# Altium PCB BeagleBone_Black_RevB4.PcbDoc (part 1 of 5) (continued)
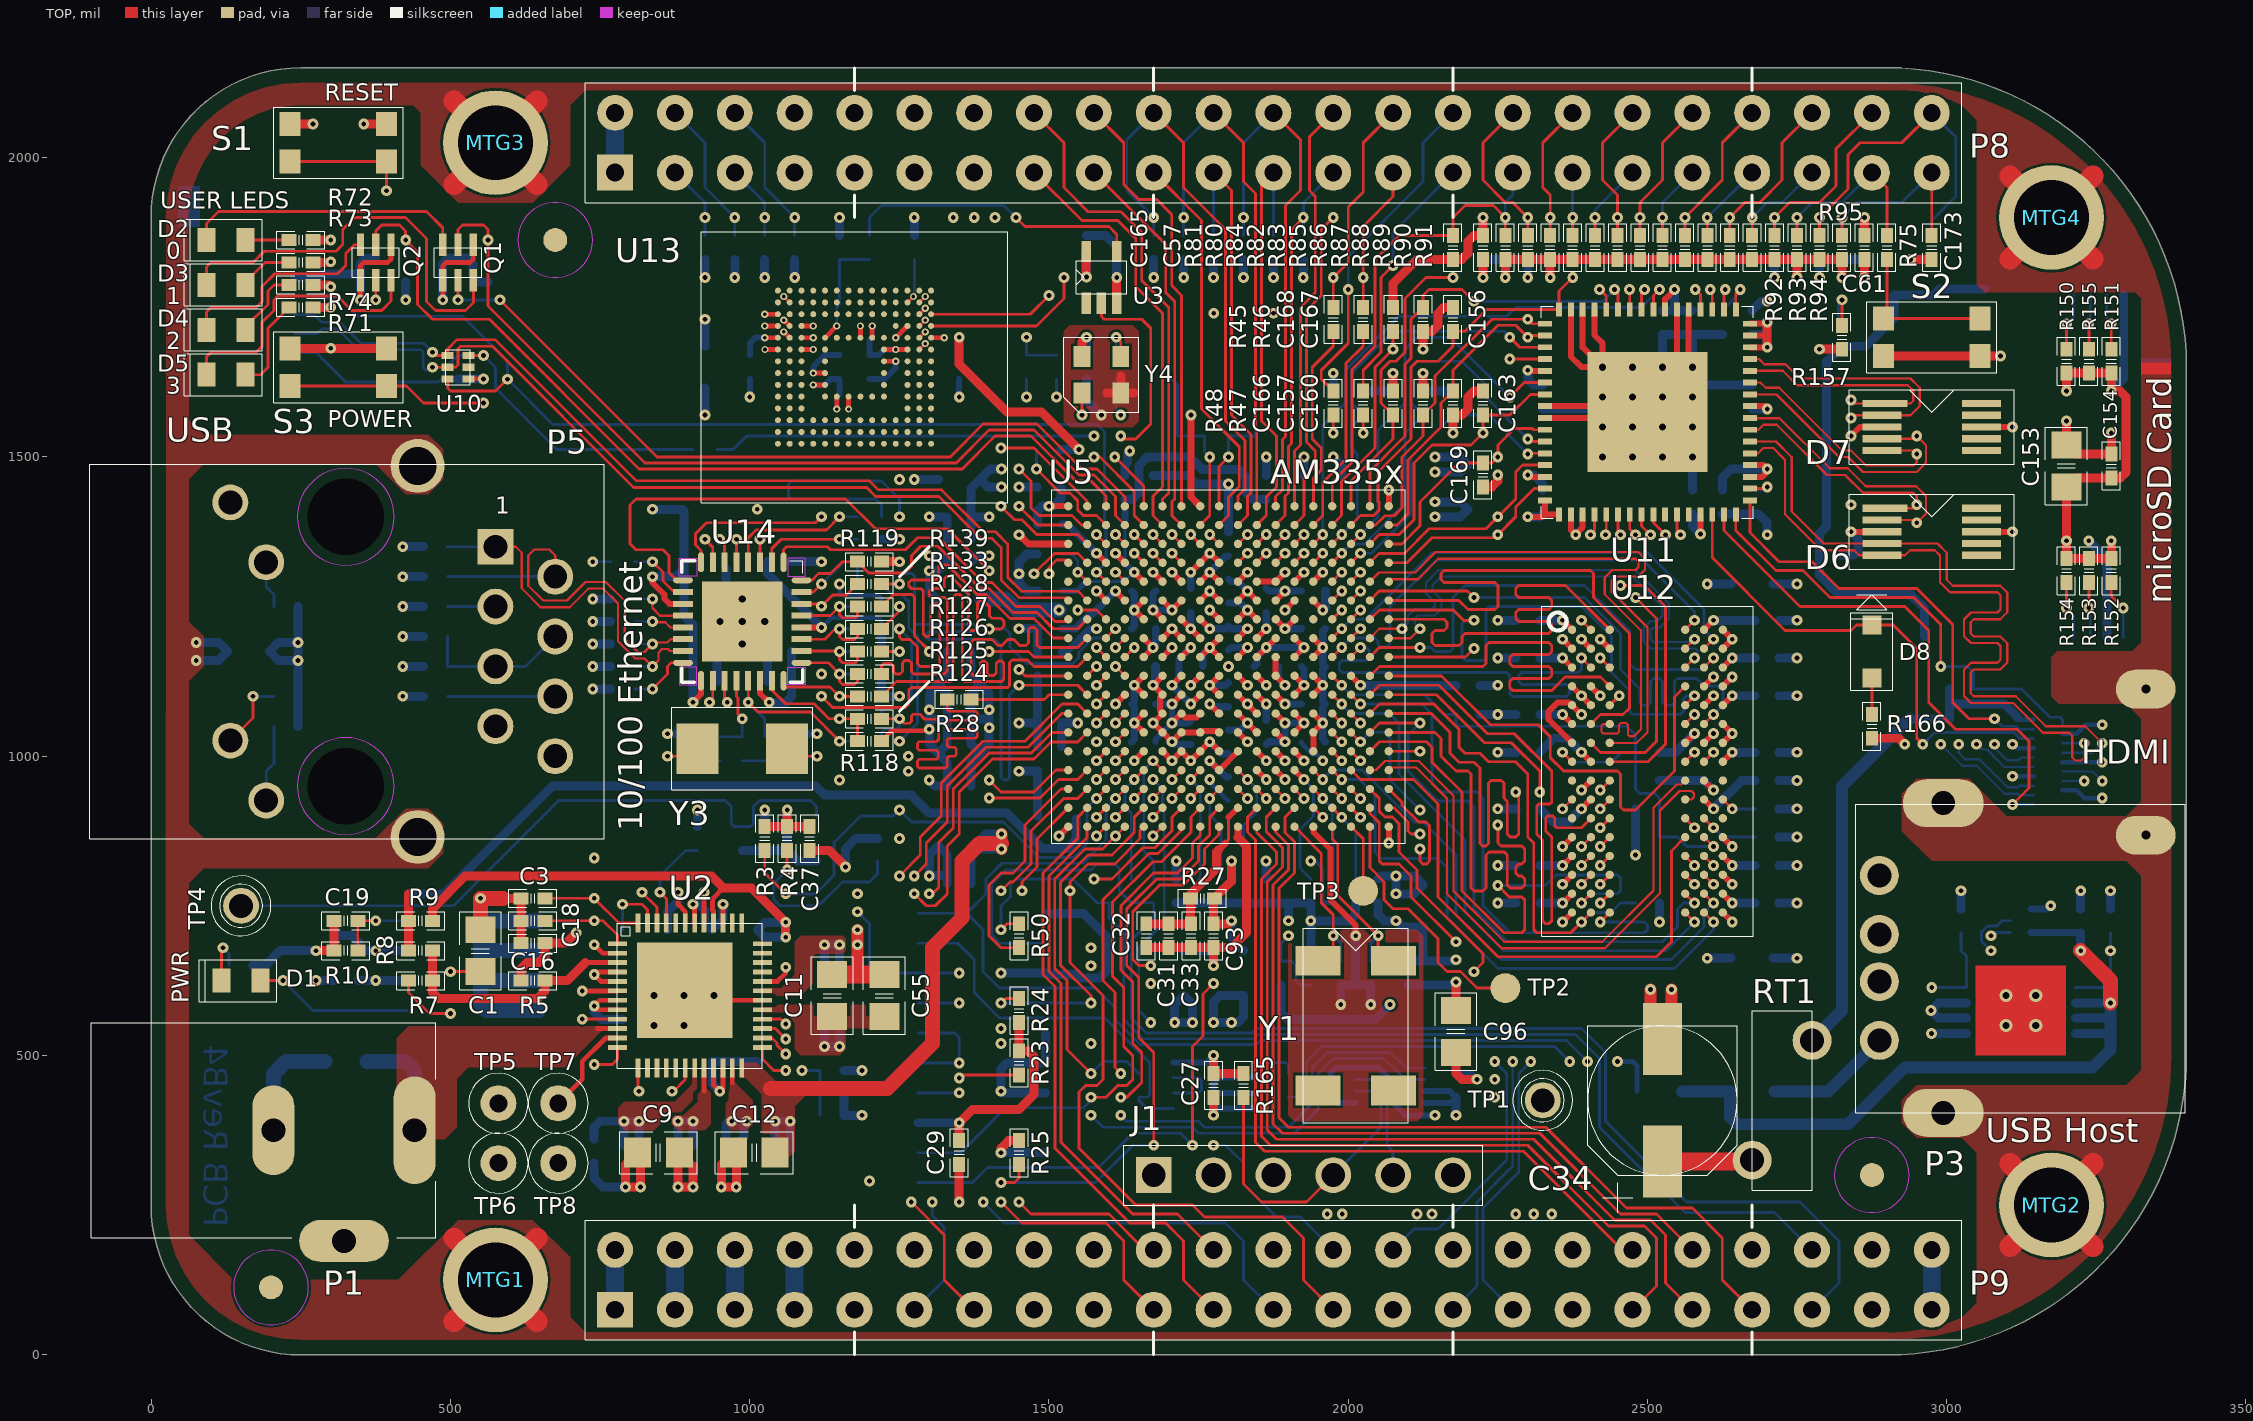
[diagram p0: TOP view]
## Components (designator, comment, footprint, x,y, rotation, side; value= is the part's Value field where it differs from the comment) (continued)
R23 "4.75K, 1%" 402 1450,487.5 r270 top
R24 "4.75K, 1%" 402 1450,575 r90 top
R25 "4.75K, 1%" 402 1450,337.5 r90 top
R26 "4.75K, 1%" 402 1975,775 r90 bottom
R27 "0R, 1%" 402 1756.25,762.5 r180 top
R28 "33, 0402" 402 1350,1095 r180 top
R45 "33, 0402" 402 1975,1730 r90 top
R46 "33, 0402" 402 2025,1730 r90 top
R47 "33, 0402" 402 2025,1590 r90 top
R48 "33, 0402" 402 1975,1590 r90 top
R49 "0R, 1%" 402 1500,1337.5 r0 bottom
R50 "0R, 1%" 402 1450,700 r270 top
R51 "0R, 1%" 402 1600,775 r90 bottom
R52 "10k, 1%" 402 3273.9,725 r270 bottom
R53 "10k, 1%" 402 3023.9,725 r90 bottom
R54 "10k, 1%" 402 2012.5,775 r90 bottom
R55 "100K, 1%, DNI" 402 2300,1850 r90 bottom
R56 "100K, 1%" 402 2262.5,1850 r90 bottom
R57 "100K, 1%, DNI" 402 2375,1850 r90 bottom
R58 "100K, 1%,DNI" 402 2412.5,1850 r90 bottom
R59 "100K, 1%, DNI" 402 2337.5,1850 r90 bottom
R60 "100K, 1%,DNI" 402 2450,1850 r90 bottom
R61 "100K, 1%,DNI" 402 2487.5,1850 r90 bottom
R62 "100K, 1%,DNI" 402 2525,1850 r90 bottom
R63 "100K, 1%,DNI" 402 2562.5,1850 r90 bottom
R64 "100K, 1%,DNI" 402 2600,1850 r90 bottom
R65 "100K, 1%" 402 2637.5,1850 r90 bottom
R66 "100K, 1%" 402 2675,1850 r90 bottom
R67 "100K, 1%" 402 2712.5,1850 r90 bottom
R68 "100K, 1%" 402 2750,1850 r90 bottom
R69 "100K, 1%, DNI" 402 2787.5,1850 r90 bottom
R70 "100K, 1%,DNI" 402 2825,1850 r90 bottom
R71 "820, 5%" 402 250,1750 r180 top
R72 "820, 5%" 402 250,1862.5 r180 top
R73 "820, 5%" 402 250,1825 r180 top
R74 "820, 5%" 402 250,1787.5 r180 top
R75 "100" 402 2900,1850 r270 top
R76 "100K, 1%" 402 512.5,1812.5 r90 bottom
R77 "100K, 1%" 402 562.5,1812.5 r270 bottom
R78 "100K, 1%" 402 375,1812.5 r90 bottom
R79 "100K, 1%" 402 425,1812.5 r270 bottom
R80 "100K, 1%" 402 2300,1850 r270 top
R81 "100K, 1%, DNI" 402 2262.5,1850 r270 top
R82 "100K, 1%" 402 2375,1850 r270 top
R83 "100K, 1%" 402 2412.5,1850 r270 top
R84 "100K, 1%" 402 2337.5,1850 r270 top
R85 "100K, 1%" 402 2450,1850 r270 top
R86 "100K, 1%" 402 2487.5,1850 r270 top
R87 "100K, 1%" 402 2525,1850 r270 top
R88 "100K, 1%" 402 2562.5,1850 r270 top
R89 "100K, 1%" 402 2600,1850 r270 top
R90 "100K, 1%, DNI" 402 2637.5,1850 r270 top
R91 "100K, 1%, DNI" 402 2675,1850 r270 top
R92 "100K, 1%, DNI" 402 2712.5,1850 r270 top
R93 "100K, 1%, DNI" 402 2750,1850 r270 top
R94 "100K, 1%" 402 2787.5,1850 r270 top
R95 "100K, 1%" 402 2825,1850 r270 top
R96 "10k, 1%" 402 2700,912 r180 bottom
R97 "1.5K, 1%" 402 2500,754.5 r180 bottom
R98 "10k, 1%" 402 2500,1006.5 r180 bottom
R99 "240, 1%" 402 2700,864.75 r180 bottom
R100 "10k, 1%" 402 2500,912 r180 bottom
R101 "10k, 1%" 402 1925,1850 r90 bottom
R102 "10k, 1%" 402 1825,1850 r90 bottom
R103 "10k, 1%" 402 1025,1850 r90 bottom
R104 "10k, 1%" 402 1075,1850 r90 bottom
R105 "10k, 1%" 402 1875,1850 r90 bottom
R106 "10k, 1%" 402 1725,1850 r90 bottom
R107 "10k, 1%" 402 925,1850 r90 bottom
R108 "10k, 1%" 402 975,1850 r90 bottom
R109 "10k, 1%" 402 1675,1850 r90 bottom
R110 "10k, 1%" 402 1775,1850 r90 bottom
R111 "10k, 1%" 402 1150,1850 r270 bottom
R112 "1.5K, 1%" 402 1200,1212.5 r0 bottom
R113 "1.5K, 1%" 402 1200,1325 r0 bottom
R114 "1.5K, 1%" 402 1200,1175 r0 bottom
R115 "10k, 1%" 402 1200,1250 r0 bottom
R116 "10k, 1%" 402 1200,1100 r0 bottom
R117 "10k, 1%" 402 1200,1137.5 r0 bottom
R118 "10k, 1%" 402 1200,1025 r0 top
R119 "1.5K, 1%" 402 1200,1325 r180 top
R120 "49.9, 1%" 402 787.5,1150 r180 bottom
R121 "49.9, 1%" 402 787.5,1187.5 r180 bottom
R122 "49.9, 1%" 402 787.5,1225 r180 bottom
R123 "49.9, 1%" 402 787.5,1262.5 r180 bottom
R124 "10, 1%,DNI" 402 1200,1062.5 r180 top
R125 "100, 1%" 402 1200,1100 r180 top
R126 "100, 1%" 402 1200,1137.5 r180 top
R127 "100, 1%" 402 1200,1175 r180 top
R128 "100, 1%" 402 1200,1212.5 r180 top
R129 "100, 1%" 402 787.5,1325 r0 bottom
R130 "470, 5%" 402 225,1100 r180 bottom
R131 "100, 1%" 402 1200,1062.5 r180 bottom
R132 "470, 5%" 402 225,1250 r180 bottom
R133 "100, 1%" 402 1200,1250 r180 top
R134 "100, 1%" 402 1200,1400 r180 bottom
R135 "10k, 1%" 402 225,1050 r0 bottom
R136 "0.1, 0805" 805 162.5,1175 r180 bottom
R137 "0R, 1%" 402 475,1150 r180 bottom
R138 "100, 1%" 402 1200,1287.5 r180 bottom
R139 "100, 1%" 402 1200,1287.5 r180 top
R140 "0R, 1%,DNI" 402 1200,1025 r180 bottom
R141 "1M, 1%,DNI" 402 987.5,1012.5 r270 bottom
R142 "0R, 1%" 402 1025,1012.5 r90 bottom
R143 "10, 1%" 402 950,1012.5 r270 bottom
R144 "12.1K, 1%" 402 787.5,1112.5 r180 bottom
R145 "10k, 1%" 402 1200,1362.5 r0 bottom
R146 "1.5K, 1%" 402 3025,1062.5 r0 bottom
R147 "1.5K, 1%" 402 3025,1112.5 r0 bottom
R148 "10k, 1%" 402 2675,1425 r270 bottom
R149 "0R, 1%" 402 2625,1725 r270 bottom
R150 "10k, 1%" 402 3200,1660 r90 top
R151 "10k, 1%" 402 3275,1660 r90 top
R152 "10k, 1%" 402 3275,1310 r270 top
R153 "10k, 1%" 402 3237.5,1310 r270 top
R154 "10k, 1%" 402 3200,1310 r270 top
R155 "10k, 1%" 402 3237.5,1660 r90 top
R156 "10k, 1%" 402 987.5,862.5 r90 bottom
R157 "10k, 1%" 402 2825,1700 r270 top
R158 "10k, 1%" 402 1500,1512.5 r180 bottom
R159 "0R, 1%" 402 925,1512.5 r0 bottom
R160 "0R, 1%" 402 1512.5,1650 r90 bottom
R161 "0R, 1%" 402 1462.5,1650 r90 bottom
R162 "0R, 1%" 402 1200,1850 r270 bottom
R163 "4.75K, 1%" 402 1887.5,637.5 r90 bottom
R164 "4.75K, 1%" 402 1937.5,637.5 r90 bottom
R165 "100K, 1%" 402 1825,450 r90 top
R166 "27K, 1%" 402 2875,1050 r270 top
R167 "33, 0402" 402 1612.5,1650 r270 bottom
RT1 "PTC_RXEF010" POLYSW200-5638-310 2725,425 r90 top
S1 "KMR231GLFS" SW4SMD_63X161LS 312.5,2025 r180 top
S2 "KMR231GLFS" SW4SMD_63X161LS 2975,1700 r180 top
S3 "KMR231GLFS" SW4SMD_63X161LS 312.5,1650 r180 top
TP1 "TESTPT1" TP1-8040 2325,425 r0 top
TP2 "TESTPT1" TP60C_SMD 2262.5,612.5 r0 top
TP3 "TESTPT1" TP60C_SMD 2025,775 r0 top
TP4 "TESTPT1" TP1-8040 150,750 r0 top
TP5 "TESTPT1" TP60C33D 580,420 r0 top
TP6 "TESTPT1" TP60C33D 580,320 r0 top
TP7 "TESTPT1" TP60C33D 680,420 r0 top
TP8 "TESTPT1" TP60C33D 680,320 r0 top
U2 "TPS65217C" U_48_RSL 900,600 r0 top
U3 "SN74LVC1G06DCK" DCK5_2P15X1P4 1587.5,1800 r0 top
U4 "TL5209" SO8-25X75 537.5,650 r270 bottom
U5 "IC_AM335X_ZCE_1" AM33XX_15X15 1800,1150 r180 top
U6 "SN74LVC1G74DCTR" SOP8_DCT 1775,450 r270 bottom
U7 "24LC32A" SOT23-5 1162.5,862.5 r90 bottom
U8 "TPS2051 (DGN)" DGN-16X60 3123.9,575 r270 bottom
U9 "TPD4S012" U_6_DRY 3123.9,725 r90 bottom
U10 "TPD4S012" U_6_DRY 512.5,1650 r270 top
U11 "TDA19988" QFN64S9X9P5 2500,1575 r0 top
U12 "MT41K256M16HA -125:E" BGA96_T9_P8_9X14 2500,975 r0 top
U13 "eMMC, 2GB" BGA153_P14_P5_11P5X13 1175,1650 r270 top
U14 "LAN8710A" QFN32_5X5MM_EP3P3MM 987.5,1225 r0 top
U15 "SN74LVC2G241" U_8_DCU 2070,450 r270 bottom
Y1 "32.768kHz" XTAL4_126-216SMD 2012.5,550 r270 top
Y2 "24MHz" XTAL150SMD_125X196 1780,1630 r0 bottom
Y3 "25.000MHz" XTAL150SMD_125X196 987.5,1012.5 r180 top
Y4 "24.576MHz" OSC4_61X65LS_79X98SMD 1587.5,1637.5 r0 top

## Footprints (in the part's own frame and the unit in brackets; to place one, negate y for a bottom-side part, rotate by r counter-clockwise, add the part's x,y. Pads: shape width x height; smd on the part's side, far side on the other; paste and mask are expansions set on the pad)
402 [mil] "402"
  rect 25x20 smd mask+2: 1(-20,0) 2(20,0)
  silkscreen extent -40,-15 40,15
805 [mil] "805"
  rect 45x50 smd mask+2: 1(-35,0) 2(35,0)
  silkscreen extent -65,-35 65,35
2520 [mil] "2520"
  rect 45x75 smd mask+2: 1(45,0) 2(-45,0)
  silkscreen extent -80,-50 80,50
AM33XX_15X15 [mil] "AM33XX_15X15"
  round 14 smd mask+0: A1(-267.72,267.72) A2(-236.22,267.72) A3(-204.72,267.72) A4(-173.23,267.72) A5(-141.73,267.72) A6(-110.24,267.72) A7(-78.74,267.72) A8(-47.24,267.72) A9(-15.75,267.72) A10(15.75,267.72) A11(47.24,267.72) A12(78.74,267.72) A13(110.24,267.72) A14(141.73,267.72) A15(173.23,267.72) A16(204.72,267.72) A17(236.22,267.72) A18(267.72,267.72) B1(-267.72,236.22) B2(-236.22,236.22) B3(-204.72,236.22) B4(-173.23,236.22) B5(-141.73,236.22) B6(-110.24,236.22) B7(-78.74,236.22) B8(-47.24,236.22) B9(-15.75,236.22) B10(15.75,236.22) B11(47.24,236.22) B12(78.74,236.22) B13(110.24,236.22) B14(141.73,236.22) B15(173.23,236.22) B16(204.72,236.22) B17(236.22,236.22) B18(267.72,236.22) C1(-267.72,204.72) C2(-236.22,204.72) C3(-204.72,204.72) C4(-173.23,204.72) C5(-141.73,204.72) C6(-110.24,204.72) C7(-78.74,204.72) C8(-47.24,204.72) C9(-15.75,204.72) C10(15.75,204.72) C11(47.24,204.72) C12(78.74,204.72) C13(110.24,204.72) C14(141.73,204.72) C15(173.23,204.72) C16(204.72,204.72) C17(236.22,204.72) C18(267.72,204.72) D1(-267.72,173.23) D2(-236.22,173.23) D3(-204.72,173.23) D4(-173.23,173.23) D5(-141.73,173.23) D6(-110.24,173.23) D7(-78.74,173.23) D8(-47.24,173.23) D9(-15.75,173.23) D10(15.75,173.23) D11(47.24,173.23) D12(78.74,173.23) D13(110.24,173.23) D14(141.73,173.23) D15(173.23,173.23) D16(204.72,173.23) D17(236.22,173.23) D18(267.72,173.23) E1(-267.72,141.73) E2(-236.22,141.73) E3(-204.72,141.73) E4(-173.23,141.73) E5(-141.73,141.73) E6(-110.24,141.73) E7(-78.74,141.73) E8(-47.24,141.73) E9(-15.75,141.73) E10(15.75,141.73) E11(47.24,141.73) E12(78.74,141.73) E13(110.24,141.73) E14(141.73,141.73) E15(173.23,141.73) E16(204.72,141.73) E17(236.22,141.73) E18(267.72,141.73) F1(-267.72,110.24) F2(-236.22,110.24) F3(-204.72,110.24) F4(-173.23,110.24) F5(-141.73,110.24) F6(-110.24,110.24) F7(-78.74,110.24) F8(-47.24,110.24) F9(-15.75,110.24) F10(15.75,110.24) F11(47.24,110.24) F12(78.74,110.24) F13(110.24,110.24) F14(141.73,110.24) F15(173.23,110.24) F16(204.72,110.24) F17(236.22,110.24) F18(267.72,110.24) G1(-267.72,78.74) G2(-236.22,78.74) G3(-204.72,78.74) G4(-173.23,78.74) G5(-141.73,78.74) G6(-110.24,78.74) G7(-78.74,78.74) G8(-47.24,78.74) G9(-15.75,78.74) G10(15.75,78.74) G11(47.24,78.74) G12(78.74,78.74) G13(110.24,78.74) G14(141.73,78.74) G15(173.23,78.74) G16(204.72,78.74) G17(236.22,78.74) G18(267.72,78.74) H1(-267.72,47.24) H2(-236.22,47.24) H3(-204.72,47.24) H4(-173.23,47.24) H5(-141.73,47.24) H6(-110.24,47.24) H7(-78.74,47.24) H8(-47.24,47.24) H9(-15.75,47.24) H10(15.75,47.24) H11(47.24,47.24) H12(78.74,47.24) H13(110.24,47.24) H14(141.73,47.24) H15(173.23,47.24) H16(204.72,47.24) H17(236.22,47.24) H18(267.72,47.24) J1(-267.72,15.75) J2(-236.22,15.75) J3(-204.72,15.75) J4(-173.23,15.75) J5(-141.73,15.75) J6(-110.24,15.75) J7(-78.74,15.75) J8(-47.24,15.75) J9(-15.75,15.75) J10(15.75,15.75) J11(47.24,15.75) J12(78.74,15.75) J13(110.24,15.75) J14(141.73,15.75) J15(173.23,15.75) J16(204.72,15.75) J17(236.22,15.75) J18(267.72,15.75) K1(-267.72,-15.75) K2(-236.22,-15.75) K3(-204.72,-15.75) K4(-173.23,-15.75) K5(-141.73,-15.75) K6(-110.24,-15.75) K7(-78.74,-15.75) K8(-47.24,-15.75) K9(-15.75,-15.75) K10(15.75,-15.75) K11(47.24,-15.75) K12(78.74,-15.75) K13(110.24,-15.75) K14(141.73,-15.75) K15(173.23,-15.75) K16(204.72,-15.75) K17(236.22,-15.75) K18(267.72,-15.75) L1(-267.72,-47.24) L2(-236.22,-47.24) L3(-204.72,-47.24) L4(-173.23,-47.24) L5(-141.73,-47.24) L6(-110.24,-47.24) L7(-78.74,-47.24) L8(-47.24,-47.24) L9(-15.75,-47.24) L10(15.75,-47.24) L11(47.24,-47.24) L12(78.74,-47.24) L13(110.24,-47.24) L14(141.73,-47.24) L15(173.23,-47.24) L16(204.72,-47.24) L17(236.22,-47.24) L18(267.72,-47.24) M1(-267.72,-78.74) M2(-236.22,-78.74) M3(-204.72,-78.74) M4(-173.23,-78.74) M5(-141.73,-78.74) M6(-110.24,-78.74) M7(-78.74,-78.74) M8(-47.24,-78.74) M9(-15.75,-78.74) M10(15.75,-78.74) M11(47.24,-78.74) M12(78.74,-78.74) M13(110.24,-78.74) M14(141.73,-78.74) M15(173.23,-78.74) M16(204.72,-78.74) M17(236.22,-78.74) M18(267.72,-78.74) N1(-267.72,-110.24) N2(-236.22,-110.24) N3(-204.72,-110.24) N4(-173.23,-110.24) N5(-141.73,-110.24) N6(-110.24,-110.24) N7(-78.74,-110.24) N8(-47.24,-110.24) N9(-15.75,-110.24) N10(15.75,-110.24) N11(47.24,-110.24) N12(78.74,-110.24) N13(110.24,-110.24) N14(141.73,-110.24) N15(173.23,-110.24) N16(204.72,-110.24) N17(236.22,-110.24) N18(267.72,-110.24) P1(-267.72,-141.73) P2(-236.22,-141.73) P3(-204.72,-141.73) P4(-173.23,-141.73) P5(-141.73,-141.73) P6(-110.24,-141.73) P7(-78.74,-141.73) P8(-47.24,-141.73) P9(-15.75,-141.73) P10(15.75,-141.73) P11(47.24,-141.73) P12(78.74,-141.73) P13(110.24,-141.73) P14(141.73,-141.73) P15(173.23,-141.73) P16(204.72,-141.73) P17(236.22,-141.73) P18(267.72,-141.73) R1(-267.72,-173.23) R2(-236.22,-173.23) R3(-204.72,-173.23) R4(-173.23,-173.23) R5(-141.73,-173.23) R6(-110.24,-173.23) R7(-78.74,-173.23) R8(-47.24,-173.23) R9(-15.75,-173.23) R10(15.75,-173.23) R11(47.24,-173.23) R12(78.74,-173.23) R13(110.24,-173.23) R14(141.73,-173.23) R15(173.23,-173.23) R16(204.72,-173.23) R17(236.22,-173.23) R18(267.72,-173.23) T1(-267.72,-204.72) T2(-236.22,-204.72) T3(-204.72,-204.72) T4(-173.23,-204.72) T5(-141.73,-204.72) T6(-110.24,-204.72) T7(-78.74,-204.72) T8(-47.24,-204.72) T9(-15.75,-204.72) T10(15.75,-204.72) T11(47.24,-204.72) T12(78.74,-204.72) T13(110.24,-204.72) T14(141.73,-204.72) T15(173.23,-204.72) T16(204.72,-204.72) T17(236.22,-204.72) T18(267.72,-204.72) U1(-267.72,-236.22) U2(-236.22,-236.22) U3(-204.72,-236.22) U4(-173.23,-236.22) U5(-141.73,-236.22) U6(-110.24,-236.22) U7(-78.74,-236.22) U8(-47.24,-236.22) U9(-15.75,-236.22) U10(15.75,-236.22) U11(47.24,-236.22) U12(78.74,-236.22) U13(110.24,-236.22) U14(141.73,-236.22) U15(173.23,-236.22) U16(204.72,-236.22) U17(236.22,-236.22) U18(267.72,-236.22) V1(-267.72,-267.72) V2(-236.22,-267.72) V3(-204.72,-267.72) V4(-173.23,-267.72) V5(-141.73,-267.72) V6(-110.24,-267.72) V7(-78.74,-267.72) V8(-47.24,-267.72) V9(-15.75,-267.72) V10(15.75,-267.72) V11(47.24,-267.72) V12(78.74,-267.72) V13(110.24,-267.72) V14(141.73,-267.72) V15(173.23,-267.72) V16(204.72,-267.72) V17(236.22,-267.72) V18(267.72,-267.72)
  silkscreen extent -295,-295 295,295
BGA96_T9_P8_9X14 [mil] "BGA96_T9_P8_9X14"
  round 14 smd mask+2: A1(-126,236.25) A2(-94.5,236.25) A3(-63,236.25) A7(63,236.25) A8(94.5,236.25) A9(126,236.25) B1(-126,204.75) B2(-94.5,204.75) B3(-63,204.75) B7(63,204.75) B8(94.5,204.75) B9(126,204.75) C1(-126,173.25) C2(-94.5,173.25) C3(-63,173.25) C7(63,173.25) C8(94.5,173.25) C9(126,173.25) D1(-126,141.75) D2(-94.5,141.75) D3(-63,141.75) D7(63,141.75) D8(94.5,141.75) D9(126,141.75) E1(-126,110.25) E2(-94.5,110.25) E3(-63,110.25) E7(63,110.25) E8(94.5,110.25) E9(126,110.25) F1(-126,78.75) F2(-94.5,78.75) F3(-63,78.75) F7(63,78.75) F8(94.5,78.75) F9(126,78.75) G1(-126,47.25) G2(-94.5,47.25) G3(-63,47.25) G7(63,47.25) G8(94.5,47.25) G9(126,47.25) H1(-126,15.75) H2(-94.5,15.75) H3(-63,15.75) H7(63,15.75) H8(94.5,15.75) H9(126,15.75) J1(-126,-15.75) J2(-94.5,-15.75) J3(-63,-15.75) J7(63,-15.75) J8(94.5,-15.75) J9(126,-15.75) K1(-126,-47.25) K2(-94.5,-47.25) K3(-63,-47.25) K7(63,-47.25) K8(94.5,-47.25) K9(126,-47.25) L1(-126,-78.75) L2(-94.5,-78.75) L3(-63,-78.75) L7(63,-78.75) L8(94.5,-78.75) L9(126,-78.75) M1(-126,-110.25) M2(-94.5,-110.25) M3(-63,-110.25) M7(63,-110.25) M8(94.5,-110.25) M9(126,-110.25) N1(-126,-141.75) N2(-94.5,-141.75) N3(-63,-141.75) N7(63,-141.75) N8(94.5,-141.75) N9(126,-141.75) P1(-126,-173.25) P2(-94.5,-173.25) P3(-63,-173.25) P7(63,-173.25) P8(94.5,-173.25) P9(126,-173.25) R1(-126,-204.75) R2(-94.5,-204.75) R3(-63,-204.75) R7(63,-204.75) R8(94.5,-204.75) R9(126,-204.75) T1(-126,-236.25) T2(-94.5,-236.25) T3(-63,-236.25) T7(63,-236.25) T8(94.5,-236.25) T9(126,-236.25)
  TOP lines w4.75: -141.75,-63 -126,-47.25 ; -141.75,31.5 -126,15.75 ; -110.25,-252 -94.5,-236.25 ; -110.25,-220.5 -94.5,-204.75 ; -110.25,-189 -94.5,-173.25 ; -110.25,-157.5 -94.5,-141.75 ; -110.25,-126 -94.5,-110.25 ; -110.25,189 -94.5,173.25 ; -110.25,252 -94.5,236.25 ; -78.75,-252 -63,-236.25 ; -78.75,-220.5 -63,-204.75 ; -78.75,-189 -63,-173.25 ; -78.75,-157.5 -63,-141.75 ; -78.75,-126 -63,-110.25 ; -78.75,-94.5 -63,-78.75 ; -78.75,-31.5 -63,-15.75 ; -63,110.25 -47.25,126 ; 63,-236.25 78.75,-252 ; 63,-204.75 78.75,-220.5 ; 63,-173.25 78.75,-189 ; 63,-141.75 78.75,-157.5 ; 63,-78.75 78.75,-94.5 ; 63,15.75 78.75,31.5 ; 63,78.75 78.75,94.5 ; 63,110.25 78.75,126 ; 63,173.25 78.75,189 ; 63,204.75 78.75,220.5 ; 63,236.25 78.75,252 ; 94.5,-236.25 110.25,-252 ; 94.5,-204.75 110.25,-220.5 ; 94.5,-173.25 110.25,-189 ; 94.5,-141.75 110.25,-157.5 ; 94.5,-110.25 110.25,-126 ; 94.5,-78.75 110.25,-94.5 ; 94.5,15.75 110.25,31.5 ; 94.5,78.75 110.25,94.5 ; 94.5,173.25 110.25,189 ; 94.5,204.75 110.25,220.5 ; 126,-47.25 141.75,-63
  TOP lines w10: -141.75,-252 -126,-236.25 ; -141.75,-220.5 -126,-204.75 ; -141.75,-189 -126,-173.25 ; -141.75,-157.5 -126,-141.75 ; -141.75,-126 -126,-110.25 ; -141.75,94.5 -126,78.75 ; -141.75,189 -126,173.25 ; -141.75,220.5 -126,204.75 ; -141.75,252 -126,236.25 ; -126,110.25 -110.25,94.5 ; -110.25,-63 -94.5,-47.25 ; -110.25,-31.5 -94.5,-15.75 ; -110.25,31.5 -94.5,15.75 ; -110.25,126 -94.5,110.25 ; -110.25,220.5 -94.5,204.75 ; -94.5,141.75 -78.75,126 ; -78.75,220.5 -63,204.75 ; 63,47.25 78.75,63 ; 94.5,-47.25 110.25,-63 ; 94.5,-15.75 110.25,-31.5 ; 94.5,47.25 110.25,63 ; 94.5,110.25 110.25,126 ; 94.5,141.75 110.25,157.5 ; 94.5,236.25 110.25,252 ; 126,-236.25 141.75,-252 ; 126,-204.75 141.75,-220.5 ; 126,-173.25 141.75,-189 ; 126,-141.75 141.75,-157.5 ; 126,-110.25 141.75,-126 ; 126,15.75 141.75,31.5 ; 126,47.25 141.75,63 ; 126,110.25 141.75,126 ; 126,141.75 141.75,157.5 ; 126,173.25 141.75,189 ; 126,204.75 141.75,220.5
  silkscreen extent -177,-276 177,276
BGA153_P14_P5_11P5X13 [mil] "BGA153_P14_P5_11P5X13"
  round 10 smd mask+2: A1(-127.95,127.95) A2(-108.27,127.95) A3(-88.58,127.95) A4(-68.9,127.95) A5(-49.21,127.95) A6(-29.53,127.95) A7(-9.84,127.95) A8(9.84,127.95) A9(29.53,127.95) A10(49.21,127.95) A11(68.9,127.95) A12(88.58,127.95) A13(108.27,127.95) A14(127.95,127.95) B1(-127.95,108.27) B2(-108.27,108.27) B3(-88.58,108.27) B4(-68.9,108.27) B5(-49.21,108.27) B6(-29.53,108.27) B7(-9.84,108.27) B8(9.84,108.27) B9(29.53,108.27) B10(49.21,108.27) B11(68.9,108.27) B12(88.58,108.27) B13(108.27,108.27) B14(127.95,108.27) C1(-127.95,88.58) C2(-108.27,88.58) C3(-88.58,88.58) C4(-68.9,88.58) C5(-49.21,88.58) C6(-29.53,88.58) C7(-9.84,88.58) C8(9.84,88.58) C9(29.53,88.58) C10(49.21,88.58) C11(68.9,88.58) C12(88.58,88.58) C13(108.27,88.58) C14(127.95,88.58) D1(-127.95,68.9) D2(-108.27,68.9) D3(-88.58,68.9) D4(-68.9,68.9) D12(88.58,68.9) D13(108.27,68.9) D14(127.95,68.9) E1(-127.95,49.21) E2(-108.27,49.21) E3(-88.58,49.21) E5(-49.21,49.21) E6(-29.53,49.21) E7(-9.84,49.21) E8(9.84,49.21) E9(29.53,49.21) E10(49.21,49.21) E12(88.58,49.21) E13(108.27,49.21) E14(127.95,49.21) F1(-127.95,29.53) F2(-108.27,29.53) F3(-88.58,29.53) F5(-49.21,29.53) F10(49.21,29.53) F12(88.58,29.53) F13(108.27,29.53) F14(127.95,29.53) G1(-127.95,9.84) G2(-108.27,9.84) G3(-88.58,9.84) G5(-49.21,9.84) G10(49.21,9.84) G12(88.58,9.84) G13(108.27,9.84) G14(127.95,9.84) H1(-127.95,-9.84) H2(-108.27,-9.84) H3(-88.58,-9.84) H5(-49.21,-9.84) H10(49.21,-9.84) H12(88.58,-9.84) H13(108.27,-9.84) H14(127.95,-9.84) J1(-127.95,-29.53) J2(-108.27,-29.53) J3(-88.58,-29.53) J5(-49.21,-29.53) J10(49.21,-29.53) J12(88.58,-29.53) J13(108.27,-29.53) J14(127.95,-29.53) K1(-127.95,-49.21) K2(-108.27,-49.21) K3(-88.58,-49.21) K5(-49.21,-49.21) K6(-29.53,-49.21) K7(-9.84,-49.21) K8(9.84,-49.21) K9(29.53,-49.21) K10(49.21,-49.21) K12(88.58,-49.21) K13(108.27,-49.21) K14(127.95,-49.21) L1(-127.95,-68.9) L2(-108.27,-68.9) L3(-88.58,-68.9) L12(88.58,-68.9) L13(108.27,-68.9) L14(127.95,-68.9) M1(-127.95,-88.58) M2(-108.27,-88.58) M3(-88.58,-88.58) M4(-68.9,-88.58) M5(-49.21,-88.58) M6(-29.53,-88.58) M7(-9.84,-88.58) M8(9.84,-88.58) M9(29.53,-88.58) M10(49.21,-88.58) M11(68.9,-88.58) M12(88.58,-88.58) M13(108.27,-88.58) M14(127.95,-88.58) N1(-127.95,-108.27) N2(-108.27,-108.27) N3(-88.58,-108.27) N4(-68.9,-108.27) N5(-49.21,-108.27) N6(-29.53,-108.27) N7(-9.84,-108.27) N8(9.84,-108.27) N9(29.53,-108.27) N10(49.21,-108.27) N11(68.9,-108.27) N12(88.58,-108.27) N13(108.27,-108.27) N14(127.95,-108.27) P1(-127.95,-127.95) P2(-108.27,-127.95) P3(-88.58,-127.95) P4(-68.9,-127.95) P5(-49.21,-127.95) P6(-29.53,-127.95) P7(-9.84,-127.95) P8(9.84,-127.95) P9(29.53,-127.95) P10(49.21,-127.95) P11(68.9,-127.95) P12(88.58,-127.95) P13(108.27,-127.95) P14(127.95,-127.95)
  silkscreen extent -226,-256 226,256
CONN3-PWR-PJ102A [mil] "CONN3-PWR-PJ102A"
  oval 70x180 hole 40 mask+2: 1(-245,0)
  oval 70x150 hole 40 mask+2: 2(-9,0)
  oval 150x70 hole 40 mask+2: 3(-127,185)
  silkscreen extent -280,-180 295,180
CONN19_HDMI [mm] "CONN19_HDMI"
  rect 0.23x0.85 smd mask+0.051: 1(-1.8,-3.265) 3(-1.4,-3.265) 5(-1,-3.265) 7(-0.6,-3.265) 9(-0.2,-3.265) 11(0.2,-3.265) 13(0.6,-3.265) 15(1,-3.265) 17(1.4,-3.265) 19(1.8,-3.265)
  rect 0.23x1 smd mask+0.051: 2(-1.6,-2.04) 4(-1.2,-2.04) 6(-0.8,-2.04) 8(-0.4,-2.04) 10(0,-2.04) 12(0.4,-2.04) 14(0.8,-2.04) 16(1.2,-2.04) 18(1.6,-2.04)
  oval 1.651x2.54 hole 0.381 mask+0.051: 20(-3.1,1.5) 21(3.1,1.5)
  rect 2.4x1.38 smd mask+0.051: 22(-3.45,-1.86) 23(3.45,-1.86)
  silkscreen extent -3.25,-3.6 3.25,3.9
DCK5_2P15X1P4 [mm] "DCK5_2P15X1P4"
  rect 0.4x0.9 smd mask+0.051: 1(-0.65,-1.1) 2(0,-1.1) 3(0.65,-1.1) 4(0.65,1.1) 5(-0.65,1.1)
  silkscreen extent -1.07,-0.7 1.07,0.7
DGN-16X60 [mil] "DGN-16X60"
  oval 16x60 smd mask+2: 1(38.4,91) 2(12.8,91) 3(-12.8,91) 4(-38.4,91) 5(-38.4,-91) 6(-12.8,-91) 7(12.8,-91) 8(38.4,-91)
  rect 80x80 smd mask+2: 9(0,0)
  BOTTOM region: 75,-75 75,75 -75,75 -75,-75 75,-75
  silkscreen extent -60,-60 60,60
HEADER10X2_SMD [mil] "HEADER10X2_SMD"
  rect 28x110 smd mask+2: 1(225,106.5) 2(225,-106.5) 3(175,106.5) 4(175,-106.5) 5(125,106.5) 6(125,-106.5) 7(75,106.5) 8(75,-106.5) 9(25,106.5) 10(25,-106.5) 11(-25,106.5) 12(-25,-106.5) 13(-75,106.5) 14(-75,-106.5) 15(-125,106.5) 16(-125,-106.5) 17(-175,106.5) 18(-175,-106.5) 19(-225,106.5) 20(-225,-106.5)
  silkscreen extent -250,-150 250,150
HEADER23X2 [mil] "HEADER23X2"
  rect 60x60 hole 30 mask+2: 1(-1100,-50)
  round 60 hole 30 mask+2: 2(-1100,50) 3(-1000,-50) 4(-1000,50) 5(-900,-50) 6(-900,50) 7(-800,-50) 8(-800,50) 9(-700,-50) 10(-700,50) 11(-600,-50) 12(-600,50) 13(-500,-50) 14(-500,50) 15(-400,-50) 16(-400,50) 17(-300,-50) 18(-300,50) 19(-200,-50) 20(-200,50) 21(-100,-50) 22(-100,50) 23(0,-50) 24(0,50) 25(100,-50) 26(100,50) 27(200,-50) 28(200,50) 29(300,-50) 30(300,50) 31(400,-50) 32(400,50) 33(500,-50) 34(500,50) 35(600,-50) 36(600,50) 37(700,-50) 38(700,50) 39(800,-50) 40(800,50) 41(900,-50) 42(900,50) 43(1000,-50) 44(1000,50) 45(1100,-50) 46(1100,50)
  silkscreen extent -1150,-100 1150,100
LED_0603 [mil] "LED_0603"
  rect 30x40 smd mask+2: 1(-32.5,0) 2(32.5,0)
  silkscreen extent -70,-35 60,35
MTGH200C125D_PL [mil] "MTGH200C125D_PL"
  round 175 hole 125 mask+2: 1(-15.5,0)
OSC4_61X65LS_79X98SMD [mil] "OSC4_61X65LS_79X98SMD"
  rect 28x35 smd mask+2: 1(-32.5,-30.5) 2(32.5,-30.5) 3(32.5,30.5) 4(-32.5,30.5)
  silkscreen extent -62,-62 62,62
POLYSW200-5638-310 [mil] "POLYSW200-5638-310"
  round 65 hole 40 mask+2: 1(-100,50) 2(100,-50)
  silkscreen extent -150,-50 150,50
QFN32_5X5MM_EP3P3MM [mil] "QFN32_5X5MM_EP3P3MM"
  oval 10x33 smd mask+2: 1(-68.95,-99) 8(68.95,-99) 17(68.95,99) 24(-68.95,99)
  rect 10x33 smd mask+2: 2(-49.25,-99) 3(-29.55,-99) 4(-9.85,-99) 5(9.85,-99) 6(29.55,-99) 7(49.25,-99) 18(49.25,99) 19(29.55,99) 20(9.85,99) 21(-9.85,99) 22(-29.55,99) 23(-49.25,99)
  oval 33x10 smd mask+2: 9(99,-68.95) 16(99,68.95) 25(-99,68.95) 32(-99,-68.95)
  rect 33x10 smd mask+2: 10(99,-49.25) 11(99,-29.55) 12(99,-9.85) 13(99,9.85) 14(99,29.55) 15(99,49.25) 26(-99,49.25) 27(-99,29.55) 28(-99,9.85) 29(-99,-9.85) 30(-99,-29.55) 31(-99,-49.25)
  rect 134x134 smd mask+2: 33(0,0)
  TOP keep-out region: 76,-105.5 76,-76 105.5,-76 105.5,-105.5 76,-105.5
  TOP keep-out region: -105.5,-76 -105.5,-105.5 -76,-105.5 -76,-76 -105.5,-76
  TOP keep-out region: -76,105.5 -76,76 -105.5,76 -105.5,105.5 -76,105.5
  TOP keep-out region: 76,105.5 76,76 105.5,76 105.5,105.5 76,105.5
  silkscreen extent -112,-138 101,101
QFN64S9X9P5 [mm] "QFN64S9X9P5"
  rect 0.6x0.25 smd mask+0.051: 1(-4.35,3.75) 2(-4.35,3.25) 3(-4.35,2.75) 4(-4.35,2.25) 5(-4.35,1.75) 6(-4.35,1.25) 7(-4.35,0.75) 8(-4.35,0.25) 9(-4.35,-0.25) 10(-4.35,-0.75) 11(-4.35,-1.25) 12(-4.35,-1.75) 13(-4.35,-2.25) 14(-4.35,-2.75) 15(-4.35,-3.25) 16(-4.35,-3.75) 33(4.35,-3.75) 34(4.35,-3.25) 35(4.35,-2.75) 36(4.35,-2.25) 37(4.35,-1.75) 38(4.35,-1.25) 39(4.35,-0.75) 40(4.35,-0.25) 41(4.35,0.25) 42(4.35,0.75) 43(4.35,1.25) 44(4.35,1.75) 45(4.35,2.25) 46(4.35,2.75) 47(4.35,3.25) 48(4.35,3.75)
  rect 0.25x0.6 smd mask+0.051: 17(-3.75,-4.35) 18(-3.25,-4.35) 19(-2.75,-4.35) 20(-2.25,-4.35) 21(-1.75,-4.35) 22(-1.25,-4.35) 23(-0.75,-4.35) 24(-0.25,-4.35) 25(0.25,-4.35) 26(0.75,-4.35) 27(1.25,-4.35) 28(1.75,-4.35) 29(2.25,-4.35) 30(2.75,-4.35) 31(3.25,-4.35) 32(3.75,-4.35) 49(3.75,4.35) 50(3.25,4.35) 51(2.75,4.35) 52(2.25,4.35) 53(1.75,4.35) 54(1.25,4.35) 55(0.75,4.35) 56(0.25,4.35) 57(-0.25,4.35) 58(-0.75,4.35) 59(-1.25,4.35) 60(-1.75,4.35) 61(-2.25,4.35) 62(-2.75,4.35) 63(-3.25,4.35) 64(-3.75,4.35)
  rect 5.08x5.08 smd mask+0.051: 65(0,0)
  silkscreen extent -4.5,-4.5 4.5,4.5
RD205SMD_250D [mil] "RD205SMD_250D"
  rect 120x65 smd mask+2: 1(-102.5,0) 2(102.5,0)
  silkscreen extent -188,-125 125,125
RJ45-7499010211A [mil] "RJ45-7499010211A"
  rect 60x60 hole 40 mask+2: 1(-175,252.5)
  round 60 hole 40 mask+2: 2(-125,352.5) 3(-75,252.5) 4(-25,352.5) 5(25,252.5) 6(75,352.5) 7(125,252.5) 8(175,352.5) 9(-249,-190.5) 10(-149,-130.5) 11(149,-190.5) 12(249,-130.5)
  round 90 hole 63 mask+2: 13(-310,122.5) 14(310,122.5)
  round 40 / inner round 150 / far side round 40 hole 128 mask+2: " "(-225,2.5) " "(225,2.5)
  Multi-Layer keep-out circle w1: c-225,2.5 r81
  Multi-Layer keep-out circle w1: c225,2.5 r81
  silkscreen extent -313,-426 313,435
SD-MICRO-SCHA5B0300 [mil] "SD-MICRO-SCHA5B0300"
  rect 36x18 smd mask+2: 1(285.72,130) 2(285.72,157.56) 3(285.72,185.12) 4(285.72,212.68) 5(-285.72,212.68) 6(-285.72,185.12) 7(-285.72,157.56) 8(-285.72,130)
  rect 20x35 smd mask+2: 9(-148.62,-263.28) 10(235.24,-263.28)
  rect 35x79 smd mask+2: 11(285.43,-170.59) 12(-285.43,-119.41)
  rect 44x60 smd mask+2: 13(283.32,262.48) 14(-283.32,262.48)
  rect 47x43 smd mask+2: 15(134.84,-282.91) 16(-101.37,-282.91)
  silkscreen extent -288,-288 288,315
SIP6 [mil] "SIP6"
  rect 60x60 hole 40 mask+2: 1(0,250)
  round 60 hole 40 mask+2: 2(0,150) 3(0,50) 4(0,-50) 5(0,-150) 6(0,-250)
  silkscreen extent -50,-300 50,300
SM-7351-IND-0805 [mil] "SM-7351-IND-0805"
  rect 55x61 smd mask+2: 1(37.4,0) 2(-37.4,0)
  silkscreen extent -43,-28 43,28
SMINI6-F3-B [mil] "SMINI6-F3-B"
  rect 12x37.4 smd mask+2: 1(25.59,29.53) 2(0,29.53) 3(-25.59,29.53) 4(-25.59,-29.53) 5(0,-29.53) 6(25.59,-29.53)
  silkscreen extent -39,-25 39,25
SO8-25X75 [mil] "SO8-25X75"
  oval 25x75 smd mask+2: 1(75,110) 2(25,110) 3(-25,110) 4(-75,110) 5(-75,-110) 6(-25,-110) 7(25,-110) 8(75,-110)
  silkscreen extent -113,-75 132,125
SOD323 [mil] "SOD323"
  rect 31.5x31.5 smd mask+2: 1(44.29,0) 2(-44.29,0)
  silkscreen extent -65,-35 95,35
SOP8_DCT [mil] "SOP8_DCT"
  rect 12x63 smd mask+2: 1(38.4,67) 2(12.8,67) 3(-12.8,67) 4(-38.4,67) 5(-38.4,-67) 6(-12.8,-67) 7(12.8,-67) 8(38.4,-67)
  silkscreen extent -64,-63 64,63
SOT23-5 [mil] "SOT23-5"
  rect 25x40 smd mask+2: 1(37.5,51) 2(0,51) 3(-37.5,51) 4(-37.5,-51) 5(37.5,-51)
  silkscreen extent -75,-88 75,88
SW4SMD_63X161LS [mil] "SW4SMD_63X161LS"
  rect 35x40 smd mask+2: 1(-80.71,-31.5) 2(-80.71,31.5) 3(80.71,-31.5) 4(80.71,31.5)
  silkscreen extent -108,-59 108,59
TP1-8040 [mil] "TP1-8040"
  round 60 hole 40 mask+2: 1(0,0)
  silkscreen extent -50,-50 50,50
TP60C33D [mil] "TP60C33D"
  round 60 hole 30 mask+2: 1(0,0)
  silkscreen extent -50,-50 50,50
TP60C_SMD [mil] "TP60C_SMD"
  round 50 smd mask+2: 1(0,0)
TSSOP10 [mil] "TSSOP10"
  rect 12x75 smd mask+2: 1(-39.37,-78)
  rect 12x65 smd mask+2: 2(-19.69,-83) 3(0,-83) 4(19.69,-83) 5(39.37,-83) 6(39.37,83) 7(19.69,83) 8(0,83) 9(-19.69,83) 10(-39.37,83)
  silkscreen extent -63,-138 63,138
U_6_DRY [mil] "U_6_DRY"
  rect 12x20 smd mask+2: 1(-19.68,-17.28) 2(0,-17.28) 3(19.68,-17.28) 4(19.68,17.28) 5(0,17.28) 6(-19.68,17.28)
  silkscreen extent -30,-21 30,21
U_8_DCU [mil] "U_8_DCU"
  rect 10x50 smd mask+2: 1(29.5,58) 2(9.8,58) 3(-9.8,58) 4(-29.5,58) 5(-29.5,-58) 6(-9.8,-58) 7(9.8,-58) 8(29.5,-58)
  silkscreen extent -42,-48 42,48
U_48_RSL [mil] "U_48_RSL"
  rect 31.5x7.87 smd mask+2: 1(-121.06,86.61) 2(-121.06,70.87) 3(-121.06,55.12) 4(-121.06,39.37) 5(-121.06,23.62) 6(-121.06,7.87) 7(-121.06,-7.87) 8(-121.06,-23.62) 9(-121.06,-39.37) 10(-121.06,-55.12) 11(-121.06,-70.87) 12(-121.06,-86.61) 25(121.06,-86.61) 26(121.06,-70.87) 27(121.06,-55.12) 28(121.06,-39.37) 29(121.06,-23.62) 30(121.06,-7.87) 31(121.06,7.87) 32(121.06,23.62) 33(121.06,39.37) 34(121.06,55.12) 35(121.06,70.87) 36(121.06,86.61)
  rect 7.87x31.5 smd mask+2: 13(-86.61,-121.06) 14(-70.87,-121.06) 15(-55.12,-121.06) 16(-39.37,-121.06) 17(-23.62,-121.06) 18(-7.87,-121.06) 19(7.87,-121.06) 20(23.62,-121.06) 21(39.37,-121.06) 22(55.12,-121.06) 23(70.87,-121.06) 24(86.61,-121.06) 37(86.61,121.06) 38(70.87,121.06) 39(55.12,121.06) 40(39.37,121.06) 41(23.62,121.06) 42(7.87,121.06) 43(-7.87,121.06) 44(-23.62,121.06) 45(-39.37,121.06) 46(-55.12,121.06) 47(-70.87,121.06) 48(-86.61,121.06)
  rect 159.45x159.45 smd mask+2: 49(-8.86,8.86)
  silkscreen extent -121,-121 121,121
USB5MINI_4SHIELDED_SMD-5 [mm] "USB5MINI_4SHIELDED_SMD-5"
  rect 1.4x0.5 smd mask+0.051: 1(-3,-1.6) 2(-3,-0.8) 3(-3,0) 4(-3,0.8) 5(-3,1.6)
  rect 3.81x2.54 smd mask+0.051: 6(-0.6,-4.2) 7(-0.6,4.2)
  rect 0.8x2.35 smd mask+0.051: 8(2.2,-2.675) 9(2.2,2.675)
  TOP keep-out region: 1.35,-3.9 1.75,-3.9 1.75,-1.45 2.65,-1.45 2.65,-3.9 3.1,-3.9 3.1,3.9 2.65,3.9 2.65,1.45 1.75,1.45 1.75,3.9 1.35,3.9 1.35,2.9 1,2.9 1,1.5 -0.5,1.5 -0.5,-1.5 1,-1.5 1,-2.9 1.35,-2.9 1.35,-3.9
  silkscreen extent -3.4,-3.85 3.6,3.85
USB_A_SH [mil] "USB_A_SH"
  round 65 hole 40 mask+2: 1(-137.1,235.7) 2(-38.7,235.7) 3(40.1,235.7) 4(138.5,235.7)
  oval 80x135 hole 40 mask+2: 5(-258,129) 6(259.4,129)
  silkscreen extent -258,-276 258,276
XTAL4_126-216SMD [mil] "XTAL4_126-216SMD"
  rect 50x75 smd mask+2: 1(-108.2,-63) 2(108.3,-63) 3(108.3,63) 4(-108.2,63)
  silkscreen extent -163,-88 163,88
XTAL150SMD_125X196 [mil] "XTAL150SMD_125X196"
  rect 70x85 smd mask+2: 1(-74.8,0) 2(74.8,0)
  silkscreen extent -118,-69 118,69